# Altium PCB FMC_ADC_128CH_10B.PcbDoc (part 11 of 14) (continued)
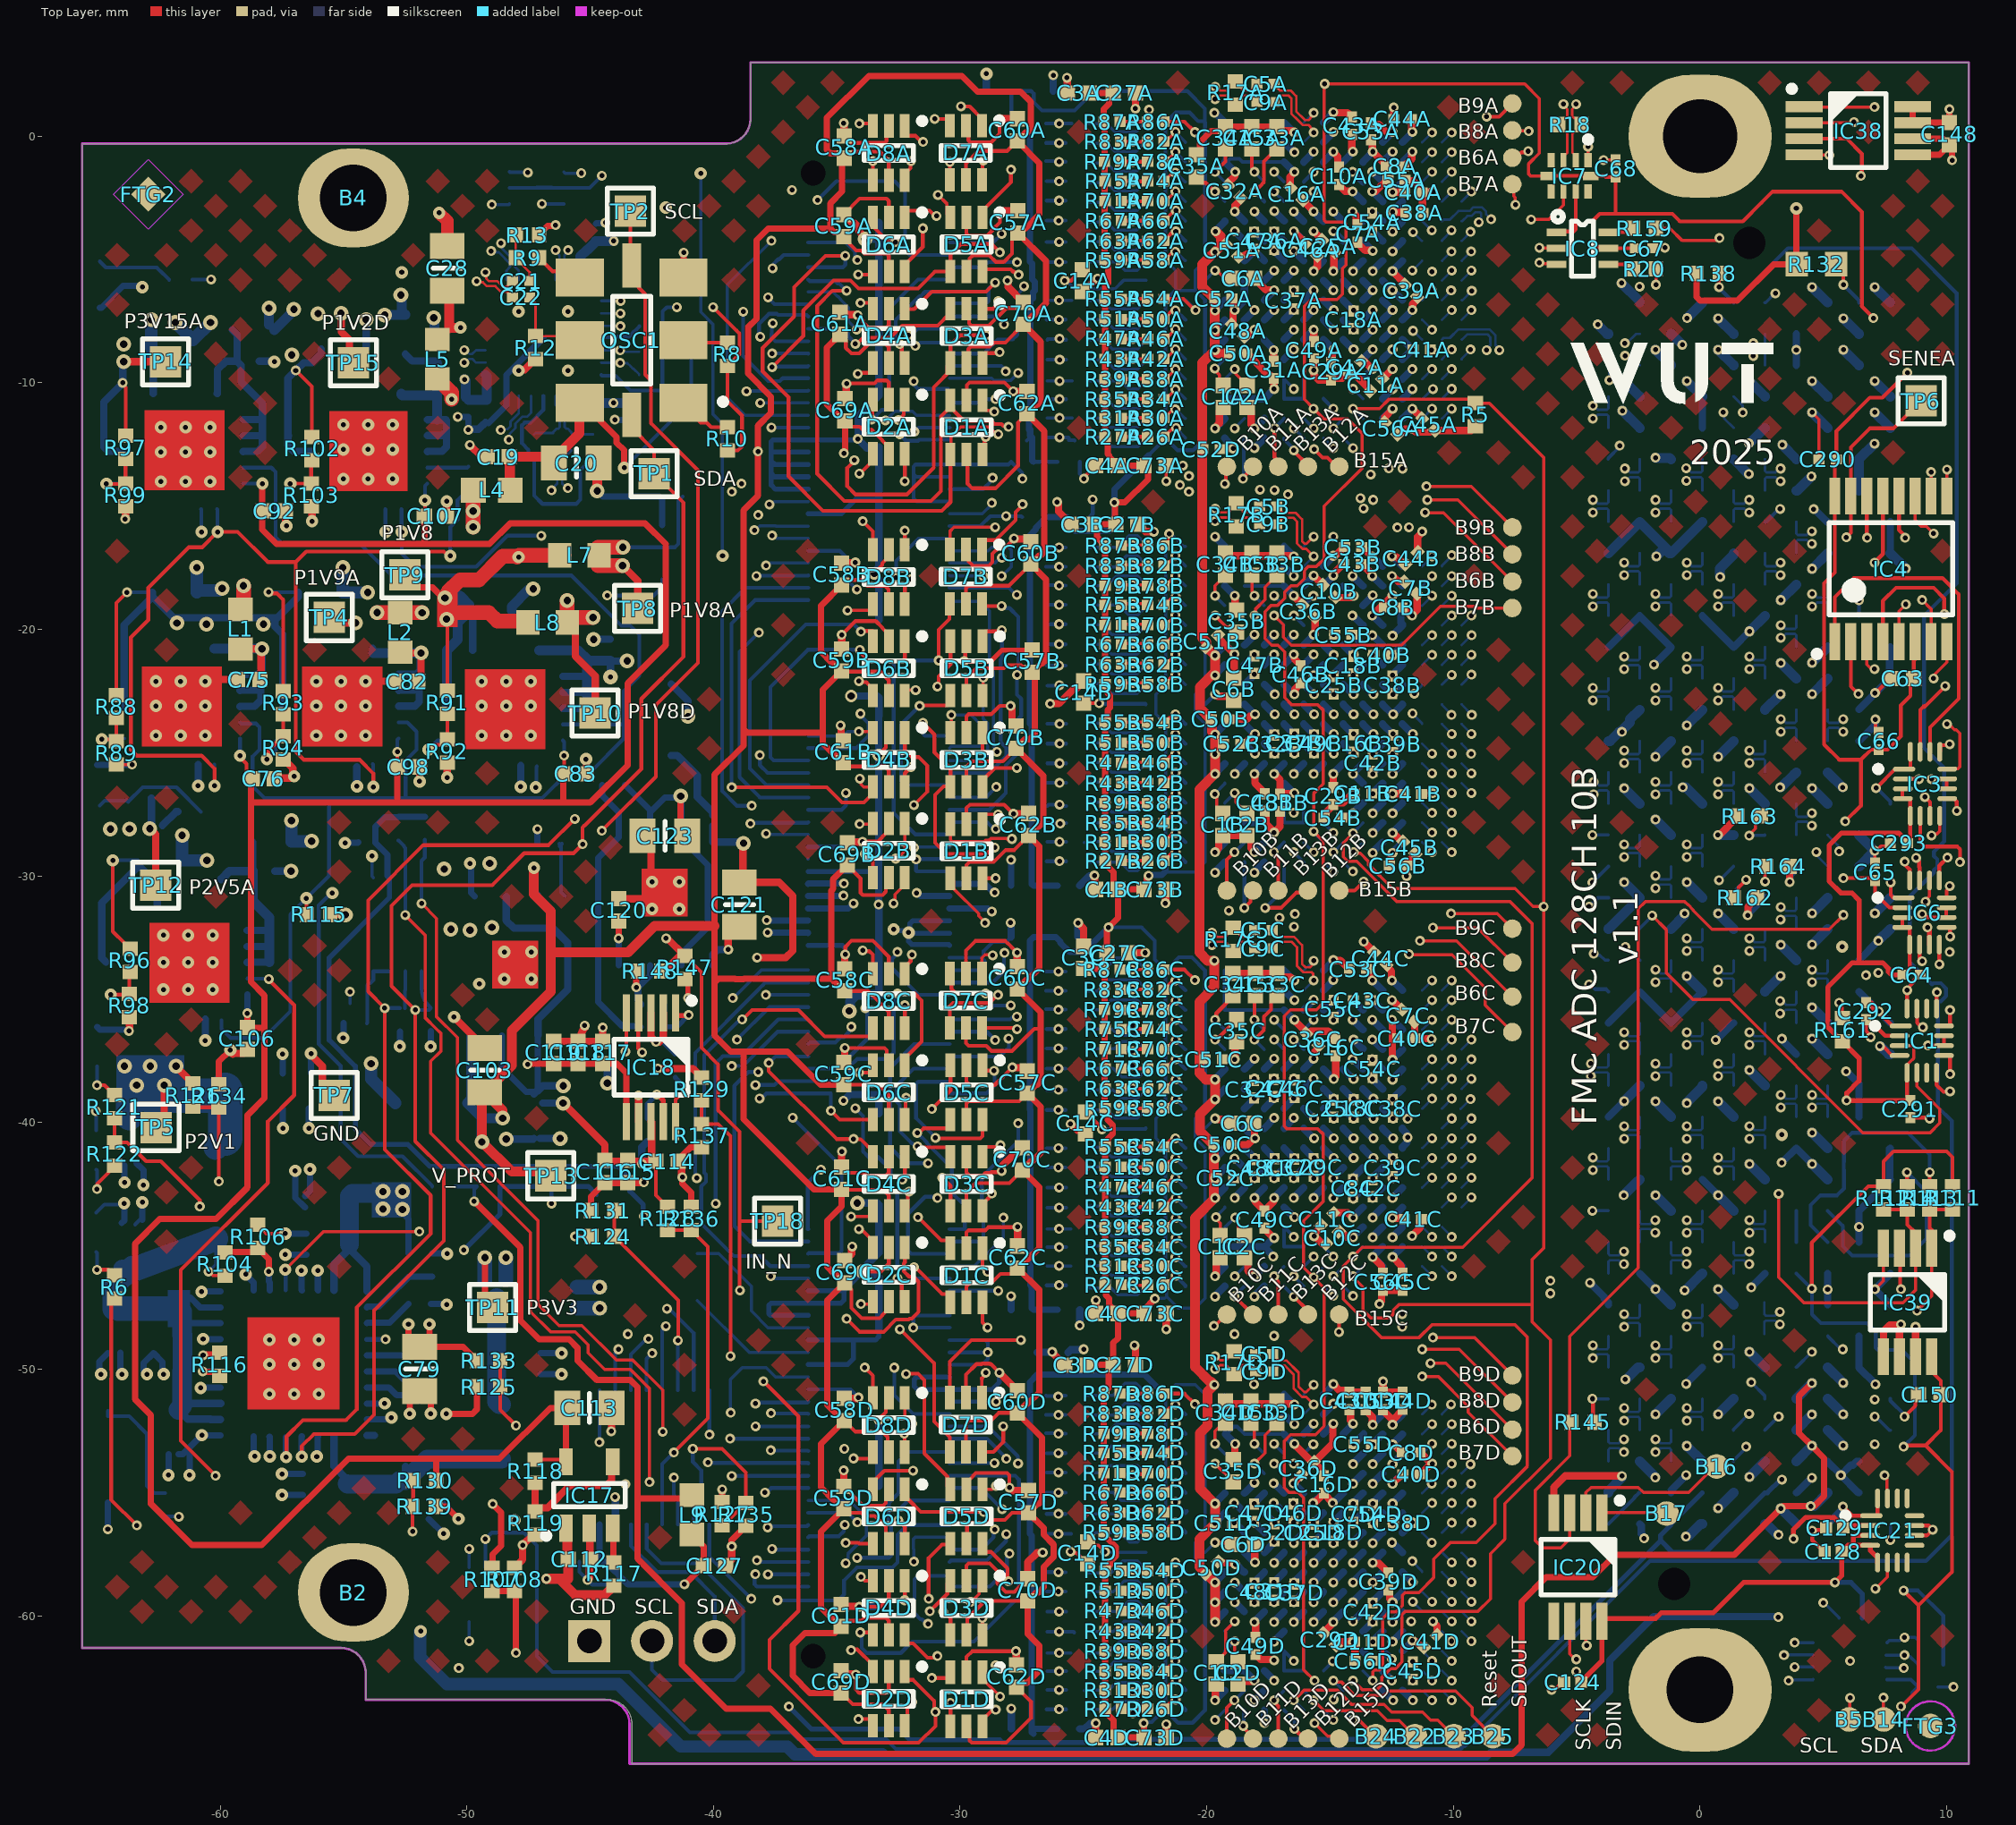
[diagram p0: Top Layer view]
## Nets (pads, with @x,y where several pads share a name; then routed paths per layer and width w, separated by ;. In a path a pad name is that pad's centre, name@x,y a point inside that pad or via, vN(x,y) a via of type N, cw(c..) or ccw(c..) an arc to the next point about the centre after c; other vN are vias at no path point) (continued)
NetJ1_142: J1.142 TP17.1 | length 5.4
  Bottom Layer w0.127: TP17.1@-40.653,-47.206 -38.544,-49.315 J1.142@-36.158,-49.315
NetLD1_1: LD1.1 R23.2 | length 3.1
  Bottom Layer w0.152: LD1.1@-64.875,-5.077 -64.633,-5.319 -62.569,-5.319 -62.293,-5.595 -62.284,-5.595 -62.065,-5.814 R23.2@-62.065,-5.823
NetLD2_1: LD2.1 R25.2 | length 5.1
  Bottom Layer w0.152: LD2.1@-64.553,-51.695 LD2.1@-64.553,-51.906 -63.688,-51.906 -62.965,-52.628 -62.965,-54.735 -62.676,-55.024 -62.228,-55.024 R25.2@-62.227,-55.025
NetLD3_2: LD3.2 R6.1 | length 1.5
  Top Layer w0.15: v1(-64.992,-45.963) -64.519,-45.963 R6.1@-64.286,-46.195
  Bottom Layer w0.15: LD3.2@-65.021,-45.246 -64.992,-45.276 v1(-64.992,-45.963)
NetLD4_2: LD4.2 R120.1 R140.1 | length 4.8
  Bottom Layer w0.15: LD4.2@-64.875,-27.14 -64.678,-26.943 -63.836,-26.943 R120.1@-63.802,-26.909
  Bottom Layer w0.152: R120.1@-63.727,-26.984 -63.142,-26.4 -61.769,-26.4 R140.1@-60.778,-27.391
NetLD5_2: LD5.2 R121.1 | length 1.6
  Top Layer w0.15: v1(-64.992,-38.479) -64.69,-38.479 R121.1@-64.286,-38.883
  Bottom Layer w0.15: v1(-64.992,-38.479) LD5.2@-64.992,-37.712
NetLD6_1: LD6.1 T3.3 | length 89.9
  Int4 (Sign) w0.15: v1(-50.323,-62.121) -48.047,-62.121 -46.159,-60.232 -46.159,-58.693 -45.022,-57.556 -45.022,-49.28 -43.656,-47.915 -43.656,-45.307 -45.608,-43.355 -45.608,-30.4 -46.312,-29.695 -46.312,-27.262 -44.302,-25.252 -44.302,-24.3 -44.888,-23.714 -44.888,-21.635 -44.302,-21.049 v1(-44.302,-18.625)
  Int6 (Sign) w0.15: v1(-65.037,-39.533) -64.405,-40.165 -64.405,-55.498 -63.954,-55.949 -63.954,-56.347 -63.354,-56.948 -62.867,-56.948 -61.507,-58.308 -59.219,-58.308 -57.541,-56.63 -53.161,-56.63 -51.114,-58.677 -51.114,-61.61 -50.603,-62.121 v1(-50.323,-62.121)
  Bottom Layer w0.15: v1(-65.037,-39.533) -65.021,-39.549 LD6.1@-65.021,-40.305 ; v1(-44.302,-18.625) -42.425,-18.625 -42.074,-18.274 T3.3@-42.074,-17.971
NetLD6_2: LD6.2 R122.1 | length 2.1
  Top Layer w0.15: v1(-64.992,-42.694) -64.992,-42.493 -64.286,-41.786 R122.1@-64.286,-41.738
  Bottom Layer w0.15: LD6.2@-65.021,-41.905 -64.992,-41.935 v1(-64.992,-42.694)
NetOSC1_1: OSC1.1 R10.1 | length 2.1
  Top Layer w0.152: OSC1.1@-41.214,-10.906 -40.515,-11.605 -40.284,-11.605 -40.093,-11.796 R10.1@-39.434,-11.796
NetOSC1_2: OSC1.2 R8.2 | length 1.8
  Top Layer w0.152: OSC1.2@-41.214,-8.366 R8.2@-39.434,-8.366
NetOSC1_4: OSC1.4 R9.1 | length 2
  Top Layer w0.152: R9.1@-47.076,-4.927 -47.076,-4.947 -46.862,-5.161 -46.842,-5.161 -46.638,-5.365 -46.528,-5.475 -45.765,-5.475 OSC1.4@-45.414,-5.826
NetR8_1: R8.1 R10.2 R15.1 R19.1 T1.3 | length 22.5
  Top Layer w0.152: v1(-40.011,-6.93) -39.051,-7.89 -39.047,-7.89 -38.937,-7.999 -38.937,-8.83 -39.414,-9.306 R8.1@-39.434,-9.306 -39.434,-10.739 -38.843,-11.329 -38.843,-12.569 -39.01,-12.736 R10.2@-39.434,-12.736
  Int1 (Sign) w0.127: v1(-41.484,-6.93) v1(-40.011,-6.93)
  Int3 (Sign) w0.152: v1(-47.523,-1.471) -46.459,-2.536 -44.405,-2.536 -41.484,-5.457 v1(-41.484,-6.93) v1(-40.011,-6.93)
  Bottom Layer w0.152: T1.3@-48.264,-1.444 -48.251,-1.457 -47.537,-1.457 v1(-47.523,-1.471) ; v1(-41.484,-6.93) -41.889,-6.93 -42.059,-7.1 R19.1@-42.059,-7.694 -42.044,-7.708 R15.1@-40.9,-7.708
NetR23_1: R23.1 T1.6 | length 16.5
  Int1 (Sign) w0.127: v1(-60.369,-5.81) -56.15,-5.81 -55.993,-5.967 -52.186,-5.967 -49.409,-3.191 -48.773,-3.191 -48.325,-2.744 v1(-46.95,-2.744)
  Bottom Layer w0.152: R23.1@-61.13,-5.81 v1(-60.369,-5.81) ; v1(-46.95,-2.744) T1.6@-46.064,-2.744
NetR24A_2: R24A.2 U1A.A17 | length 2.6
  Bottom Layer w0.127: R24A.2@-24.791,-12.21 -24.215,-12.21 -23.831,-12.594 -22.814,-12.594 U1A.A17@-22.467,-12.245 U1A.A17@-22.467,-12.245
NetR24B_2: R24B.2 U1B.A17 | length 2.6
  Bottom Layer w0.127: R24B.2@-24.791,-29.399 -24.756,-29.434 -23.49,-29.434 -23.144,-29.779 -22.81,-29.779 -22.467,-29.437 U1B.A17@-22.467,-29.434
NetR24C_2: R24C.2 U1C.A17 | length 2.7
  Bottom Layer w0.127: R24C.2@-24.841,-46.594 -24.738,-46.697 -23.888,-46.697 -23.61,-46.975 -22.81,-46.975 -22.467,-46.632 U1C.A17@-22.467,-46.63
NetR24D_2: R24D.2 U1D.A17 | length 2.7
  Bottom Layer w0.127: R24D.2@-24.821,-63.79 R24D.2@-24.841,-63.79 -23.815,-63.79 -23.49,-63.465 -22.8,-63.465 -22.467,-63.798 U1D.A17@-22.467,-63.825
NetR25_1: R25.1 T2.3 | length 16
  Int3 (Sign) w0.152: v1(-61.674,-55.975) -53.52,-55.975 -49.897,-59.598 v1(-49.897,-61.022)
  Bottom Layer w0.127: v1(-49.897,-61.022) T2.3@-49.897,-60.242
  Bottom Layer w0.152: R25.1@-62.227,-55.965 -61.685,-55.965 v1(-61.674,-55.975)
NetR26A_1: R26A.1 U1A.C17 | length 1.2
  Top Layer w0.127: R26A.1@-21.739,-12.185 -21.719,-12.185 -21.417,-11.883 -21.291,-11.883 v1(-21.239,-11.83)
  Bottom Layer w0.127: v1(-21.239,-11.83) -21.239,-11.852 -20.867,-12.223 U1A.C17@-20.867,-12.245
NetR26B_1: R26B.1 U1B.C17 | length 1.2
  Top Layer w0.152: R26B.1@-21.739,-29.373 -21.719,-29.373 -21.422,-29.076 -21.303,-29.076 v1(-21.256,-29.028)
  Bottom Layer w0.152: v1(-21.256,-29.028) -21.256,-29.037 -20.867,-29.425 U1B.C17@-20.867,-29.434
NetR26C_1: R26C.1 U1C.C17 | length 1.2
  Top Layer w0.152: R26C.1@-21.739,-46.569 -21.605,-46.435 -21.518,-46.435 -21.28,-46.197 v1(-21.256,-46.197)
  Bottom Layer w0.152: v1(-21.256,-46.197) -21.256,-46.219 -20.867,-46.608 U1C.C17@-20.867,-46.63
NetR26D_1: R26D.1 U1D.C17 | length 1.2
  Top Layer w0.152: R26D.1@-21.739,-63.765 -21.719,-63.765 -21.394,-63.44 -21.304,-63.44 v1(-21.256,-63.393)
  Bottom Layer w0.152: v1(-21.256,-63.393) -21.256,-63.414 -20.867,-63.804 U1D.C17@-20.867,-63.825
NetR29A_2: R29A.2 U1A.A16 | length 2.6
  Bottom Layer w0.127: R29A.2@-24.791,-11.423 -24.292,-11.423 -23.916,-11.799 -22.821,-11.799 U1A.A16@-22.467,-11.445
NetR29B_2: R29B.2 U1B.A16 | length 2.7
  Bottom Layer w0.127: R29B.2@-24.965,-28.637 R29B.2@-24.962,-28.634 ; R29B.2@-24.816,-28.597 -24.256,-28.597 -23.857,-28.996 -22.83,-28.996 U1B.A16@-22.467,-28.634
NetR29C_2: R29C.2 U1C.A16 | length 2.7
  Bottom Layer w0.127: R29C.2@-24.816,-45.793 -24.256,-45.793 -23.857,-46.192 -22.83,-46.192 U1C.A16@-22.467,-45.83
NetR29D_2: R29D.2 U1D.A16 | length 2.6
  Bottom Layer w0.127: R29D.2@-24.965,-63.028 R29D.2@-24.962,-63.025 ; R29D.2@-24.841,-63.003 -23.972,-63.003 -23.672,-62.703 -22.79,-62.703 U1D.A16@-22.467,-63.025
NetR30A_1: R30A.1 U1A.C16 | length 1.2
  Top Layer w0.127: R30A.1@-21.739,-11.423 -21.719,-11.423 -21.426,-11.13 -21.331,-11.13 v1(-21.279,-11.078)
  Bottom Layer w0.127: v1(-21.279,-11.078) -21.257,-11.078 -20.889,-11.445 U1A.C16@-20.867,-11.445
NetR30B_1: R30B.1 U1B.C16 | length 1.2
  Top Layer w0.152: R30B.1@-21.739,-28.611 -21.719,-28.611 -21.396,-28.288 -21.306,-28.288 v1(-21.258,-28.241)
  Bottom Layer w0.152: v1(-21.258,-28.241) U1B.C16@-20.867,-28.633
NetR30C_1: R30C.1 U1C.C16 | length 1.2
  Top Layer w0.152: R30C.1@-21.739,-45.807 -21.605,-45.673 -21.491,-45.673 v1(-21.271,-45.454)
  Bottom Layer w0.152: v1(-21.271,-45.454) -21.257,-45.454 -20.881,-45.83 U1C.C16@-20.867,-45.83
NetR30D_1: R30D.1 U1D.C16 | length 1.2
  Top Layer w0.152: R30D.1@-21.739,-63.003 -21.719,-63.003 -21.371,-62.655 -21.289,-62.655 v1(-21.242,-62.607)
  Bottom Layer w0.152: v1(-21.242,-62.607) -21.242,-62.629 -20.867,-63.004 U1D.C16@-20.867,-63.025
NetR33A_2: R33A.2 U1A.A15 | length 2.7
  Bottom Layer w0.127: R33A.2@-24.791,-10.661 -24.064,-10.661 -23.696,-11.028 -23.141,-11.028 -23.132,-11.037 -22.823,-11.037 -22.814,-11.028 -22.772,-11.028
  Bottom Layer w0.152: -22.772,-11.028 -22.467,-10.724 U1A.A15@-22.467,-10.645
NetR33B_2: R33B.2 U1B.A15 | length 2.7
  Bottom Layer w0.127: R33B.2@-24.791,-27.849 -23.508,-27.849 -23.132,-28.226 -22.822,-28.226 -22.467,-27.871 U1B.A15@-22.467,-27.834
NetR33C_2: R33C.2 U1C.A15 | length 2.7
  Bottom Layer w0.127: R33C.2@-24.816,-44.993 -24.256,-44.993 -23.857,-45.392 -22.83,-45.392 U1C.A15@-22.467,-45.03
NetR33D_2: R33D.2 U1D.A15 | length 2.7
  Bottom Layer w0.127: R33D.2@-24.841,-62.241 -24.132,-62.241 -23.732,-61.841 -22.8,-61.841 -22.467,-62.174 U1D.A15@-22.467,-62.225
NetR34A_1: R34A.1 U1A.C15 | length 1.2
  Top Layer w0.127: R34A.1@-21.739,-10.661 -21.671,-10.661 v1(-21.268,-10.258)
  Bottom Layer w0.127: v1(-21.268,-10.258) -21.261,-10.258 -20.874,-10.645 U1A.C15@-20.867,-10.645
NetR34B_1: R34B.1 U1B.C15 | length 1.2
  Top Layer w0.127: R34B.1@-21.739,-27.849 -21.719,-27.849 -21.315,-27.445 v1(-21.256,-27.445)
  Bottom Layer w0.152: v1(-21.256,-27.445) U1B.C15@-20.867,-27.834
NetR34C_1: R34C.1 U1C.C15 | length 1.2
  Top Layer w0.152: R34C.1@-21.739,-45.045 -21.605,-44.911 -21.518,-44.911 -21.28,-44.673 v1(-21.256,-44.673)
  Bottom Layer w0.127: v1(-21.256,-44.673) -21.24,-44.673 -20.883,-45.03 U1C.C15@-20.867,-45.03
NetR34D_1: R34D.1 U1D.C15 | length 1.2
  Top Layer w0.127: R34D.1@-21.739,-62.241 -21.719,-62.241 -21.311,-61.832 v1(-21.266,-61.832)
  Bottom Layer w0.152: v1@-21.256,-61.837 U1D.C15@-20.867,-62.225
NetR37A_2: R37A.2 U1A.A14 | length 2.7
  Bottom Layer w0.127: R37A.2@-24.791,-9.924 -23.474,-9.924 -23.144,-10.254 -22.81,-10.254 -22.467,-9.911 U1A.A14@-22.467,-9.845
NetR37B_2: R37B.2 U1B.A14 | length 2.7
  Bottom Layer w0.127: R37B.2@-24.816,-26.997 -24.256,-26.997 -23.857,-27.396 -22.83,-27.396 U1B.A14@-22.467,-27.034
NetR37C_2: R37C.2 U1C.A14 | length 2.7
  Bottom Layer w0.127: R37C.2@-24.816,-44.193 -24.256,-44.193 -23.857,-44.592 -22.83,-44.592 U1C.A14@-22.467,-44.23
NetR37D_2: R37D.2 U1D.A14 | length 2.8
  Bottom Layer w0.127: R37D.2@-24.841,-61.504 -24.004,-61.504 -23.527,-61.028 -22.8,-61.028 -22.467,-61.361 U1D.A14@-22.467,-61.425
NetR38A_1: R38A.1 U1A.C14 | length 1.2
  Top Layer w0.127: R38A.1@-21.739,-9.848 -21.671,-9.848 v1(-21.268,-9.445)
  Bottom Layer w0.127: v1(-21.268,-9.445) U1A.C14@-20.867,-9.845
NetR38B_1: R38B.1 U1B.C14 | length 1.2
  Top Layer w0.127: R38B.1@-21.739,-27.036 -21.719,-27.036 -21.328,-26.645 v1(-21.256,-26.645)
  Bottom Layer w0.152: v1(-21.256,-26.645) U1B.C14@-20.867,-27.034
NetR38C_1: R38C.1 U1C.C14 | length 1.2
  Top Layer w0.152: R38C.1@-21.739,-44.232 -21.605,-44.098 -21.518,-44.098 -21.28,-43.86 v1(-21.256,-43.86)
  Bottom Layer w0.127: v1(-21.256,-43.86) -21.247,-43.86 -20.877,-44.23 U1C.C14@-20.867,-44.23
NetR38D_1: R38D.1 U1D.C14 | length 1.2
  Top Layer w0.127: R38D.1@-21.739,-61.428 -21.719,-61.428 -21.323,-61.032 v1(-21.266,-61.032)
  Bottom Layer w0.152: v1@-21.256,-61.037 U1D.C14@-20.867,-61.425
NetR41A_2: R41A.2 U1A.A13 | length 2.7
  Bottom Layer w0.127: R41A.2@-24.791,-9.06 -24.116,-9.06 -23.735,-9.441 -22.81,-9.441 -22.467,-9.098 U1A.A13@-22.467,-9.045
NetR41B_2: R41B.2 U1B.A13 | length 2.7
  Bottom Layer w0.127: R41B.2@-24.816,-26.197 -24.256,-26.197 -23.857,-26.596 -22.83,-26.596 U1B.A13@-22.467,-26.234
NetR41C_2: R41C.2 U1C.A13 | length 2.7
  Bottom Layer w0.127: R41C.2@-24.816,-43.393 -24.256,-43.393 -23.857,-43.792 -22.83,-43.792 U1C.A13@-22.467,-43.43
NetR41D_2: R41D.2 U1D.A13 | length 2.8
  Bottom Layer w0.127: R41D.2@-24.841,-60.641 -23.78,-60.641 -23.355,-60.215 -22.8,-60.215 -22.467,-60.548 U1D.A13@-22.467,-60.625
NetR42A_1: R42A.1 U1A.C13 | length 1.2
  Top Layer w0.127: R42A.1@-21.739,-9.035 -21.671,-9.035 v1(-21.268,-8.632)
  Bottom Layer w0.127: v1(-21.268,-8.632) -21.268,-8.638 -20.867,-9.039 U1A.C13@-20.867,-9.045
NetR42B_1: R42B.1 U1B.C13 | length 1.3
  Top Layer w0.152: R42B.1@-21.739,-26.224 -21.719,-26.224 -21.296,-25.801 v1(-21.257,-25.801)
  Bottom Layer w0.152: v1(-21.257,-25.801) -21.257,-25.822 -20.867,-26.212 U1B.C13@-20.867,-26.234
NetR42C_1: R42C.1 U1C.C13 | length 1.2
  Top Layer w0.152: R42C.1@-21.739,-43.419 -21.719,-43.419 -21.585,-43.286 -21.585,-43.266 -21.414,-43.095 -21.371,-43.095 -21.324,-43.048 v1@-21.324,-43.004
  Bottom Layer w0.152: v1(-21.256,-43.047) -21.253,-43.047 -20.871,-43.43 U1C.C13@-20.867,-43.43
NetR42D_1: R42D.1 U1D.C13 | length 1.2
  Top Layer w0.152: R42D.1@-21.739,-60.615 -21.719,-60.615 -21.299,-60.195 v1(-21.258,-60.195)
  Bottom Layer w0.152: v1(-21.258,-60.195) -21.258,-60.214 -20.867,-60.606 U1D.C13@-20.867,-60.625
NetR45A_2: R45A.2 U1A.A12 | length 2.7
  Bottom Layer w0.127: R45A.2@-24.791,-8.248 -24.206,-8.248 -23.825,-8.628 -22.81,-8.628 -22.467,-8.286 U1A.A12@-22.467,-8.245
NetR45B_2: R45B.2 U1B.A12 | length 2.7
  Bottom Layer w0.127: R45B.2@-24.816,-25.397 -24.256,-25.397 -23.857,-25.796 -22.83,-25.796 U1B.A12@-22.467,-25.434
NetR45C_2: R45C.2 U1C.A12 | length 2.7
  Bottom Layer w0.127: R45C.2@-24.816,-42.593 -24.256,-42.593 -23.857,-42.992 -22.83,-42.992 U1C.A12@-22.467,-42.63
NetR45D_2: R45D.2 U1D.A12 | length 2.8
  Bottom Layer w0.127: R45D.2@-24.841,-59.828 -23.602,-59.828 -23.17,-59.396 -22.806,-59.396 -22.564,-59.639 -22.564,-59.648 -22.467,-59.745 U1D.A12@-22.467,-59.825
NetR46A_1: R46A.1 U1A.C12 | length 1.2
  Top Layer w0.127: R46A.1@-21.739,-8.222 -21.671,-8.222 v1(-21.268,-7.82)
  Bottom Layer w0.127: v1(-21.268,-7.82) -21.268,-7.832 -20.867,-8.233 U1A.C12@-20.867,-8.245
NetR46B_1: R46B.1 U1B.C12 | length 1.2
  Top Layer w0.152: R46B.1@-21.739,-25.411 -21.719,-25.411 -21.585,-25.277 -21.585,-25.257 -21.416,-25.088 -21.313,-25.088 v1(-21.266,-25.04)
  Bottom Layer w0.152: v1(-21.266,-25.04) -21.261,-25.04 U1B.C12@-20.867,-25.434
NetR46C_1: R46C.1 U1C.C12 | length 1.2
  Top Layer w0.152: R46C.1@-21.739,-42.607 -21.719,-42.607 -21.585,-42.473 -21.585,-42.453 -21.416,-42.284 -21.313,-42.284 v1(-21.266,-42.236)
  Bottom Layer w0.152: v1(-21.266,-42.236) -21.261,-42.236 U1C.C12@-20.867,-42.63
NetR46D_1: R46D.1 U1D.C12 | length 1.2
  Top Layer w0.152: R46D.1@-21.739,-59.802 -21.719,-59.802 -21.585,-59.669 -21.585,-59.649 -21.416,-59.479 -21.313,-59.479 v1(-21.266,-59.432)
  Bottom Layer w0.152: v1(-21.266,-59.432) -21.261,-59.432 U1D.C12@-20.867,-59.825
NetR49A_2: R49A.2 U1A.A11 | length 2.7
  Bottom Layer w0.127: R49A.2@-24.817,-7.435 -24.144,-7.435 -23.763,-7.816 -22.81,-7.816 -22.467,-7.473 U1A.A11@-22.467,-7.445
NetR49B_2: R49B.2 U1B.A11 | length 2.7
  Bottom Layer w0.127: R49B.2@-24.816,-24.597 -24.256,-24.597 -23.857,-24.996 -22.83,-24.996 U1B.A11@-22.467,-24.634
NetR49C_2: R49C.2 U1C.A11 | length 2.7
  Bottom Layer w0.127: R49C.2@-24.816,-41.793 -24.256,-41.793 -23.857,-42.192 -22.83,-42.192 U1C.A11@-22.467,-41.83
NetR49D_2: R49D.2 U1D.A11 | length 2.8
  Bottom Layer w0.127: R49D.2@-24.867,-59.015 -23.781,-59.015 -23.355,-58.589 -22.8,-58.589 -22.564,-58.826 -22.564,-58.848 -22.467,-58.945 U1D.A11@-22.467,-59.025
NetR50A_1: R50A.1 U1A.C11 | length 1.2
  Top Layer w0.152: R50A.1@-21.739,-7.409 -21.719,-7.409 -21.585,-7.276 -21.585,-7.256 -21.434,-7.105 -21.313,-7.105 v1(-21.266,-7.057)
  Bottom Layer w0.152: v1(-21.266,-7.057) -21.255,-7.057 U1A.C11@-20.867,-7.445
NetR50B_1: R50B.1 U1B.C11 | length 1.2
  Top Layer w0.152: R50B.1@-21.739,-24.598 -21.605,-24.464 -21.496,-24.464 v1(-21.266,-24.234)
  Bottom Layer w0.152: v1@-21.266,-24.235 U1B.C11@-20.867,-24.634
NetR50C_1: R50C.1 U1C.C11 | length 1.2
  Top Layer w0.152: R50C.1@-21.739,-41.794 -21.719,-41.794 -21.515,-41.589 -21.479,-41.589 -21.319,-41.43 v1(-21.266,-41.43)
  Bottom Layer w0.152: v1@-21.266,-41.431 U1C.C11@-20.867,-41.83
NetR50D_1: R50D.1 U1D.C11 | length 1.2
  Top Layer w0.152: R50D.1@-21.739,-58.99 -21.719,-58.99 -21.585,-58.856 -21.585,-58.836 -21.422,-58.673 -21.313,-58.673 v1(-21.266,-58.625)
  Bottom Layer w0.152: v1@-21.266,-58.627 U1D.C11@-20.867,-59.025
NetR53A_2: R53A.2 U1A.A10 | length 2.7
  Bottom Layer w0.127: R53A.2@-24.817,-6.647 -24.254,-6.647 -23.899,-7.003 -22.81,-7.003 -22.467,-6.66 U1A.A10@-22.467,-6.645
NetR53B_2: R53B.2 U1B.A10 | length 2.7
  Bottom Layer w0.127: R53B.2@-24.816,-23.797 -24.256,-23.797 -23.857,-24.196 -22.83,-24.196 U1B.A10@-22.467,-23.834
NetR53C_2: R53C.2 U1C.A10 | length 2.7
  Bottom Layer w0.127: R53C.2@-24.816,-40.993 -24.256,-40.993 -23.857,-41.392 -22.83,-41.392 U1C.A10@-22.467,-41.03
NetR53D_2: R53D.2 U1D.A10 | length 2.9
  Bottom Layer w0.127: R53D.2@-24.819,-58.228 -24.819,-58.255 -23.887,-58.255 -23.401,-57.769 -22.808,-57.769 -22.564,-58.013 -22.564,-58.048 -22.467,-58.145 U1D.A10@-22.467,-58.225 ; U1D.A10@-22.469,-58.252 U1D.A10@-22.469,-58.228
NetR54A_1: R54A.1 U1A.C10 | length 2
  Top Layer w0.152: R54A.1@-21.719,-6.597 -20.942,-6.597 -20.489,-7.05 v1(-20.456,-7.05)
  Bottom Layer w0.152: U1A.C10@-20.867,-6.645 -20.864,-6.645 -20.459,-7.05 v1(-20.456,-7.05)
NetR54B_1: R54B.1 U1B.C10 | length 1.2
  Top Layer w0.152: R54B.1@-21.739,-23.785 -21.719,-23.785 -21.528,-23.593 -21.479,-23.593 -21.326,-23.44 v1(-21.266,-23.44)
  Bottom Layer w0.152: v1(-21.266,-23.44) -21.261,-23.44 U1B.C10@-20.867,-23.834
NetR54C_1: R54C.1 U1C.C10 | length 1.2
  Top Layer w0.152: R54C.1@-21.739,-40.981 -21.719,-40.981 -21.585,-40.847 -21.585,-40.827 -21.442,-40.683 -21.313,-40.683 v1(-21.266,-40.636)
  Bottom Layer w0.152: v1(-21.266,-40.636) -21.261,-40.636 U1C.C10@-20.867,-41.03
NetR54D_1: R54D.1 U1D.C10 | length 1.2
  Top Layer w0.152: R54D.1@-21.739,-58.177 -21.605,-58.043 -21.479,-58.043 -21.268,-57.832 v1(-21.266,-57.832)
  Bottom Layer w0.152: v1(-21.266,-57.832) -21.261,-57.832 U1D.C10@-20.867,-58.225
NetR57A_2: R57A.2 U1A.A8 | length 2.7
  Bottom Layer w0.127: R57A.2@-24.817,-5.098 -24.56,-5.098 -23.657,-5.098 -23.31,-5.445 -22.828,-5.445 -22.467,-5.085 U1A.A8@-22.467,-5.045
NetR57B_2: R57B.2 U1B.A8 | length 2.7
  Bottom Layer w0.127: R57B.2@-24.816,-22.197 -24.256,-22.197 -23.857,-22.596 -22.83,-22.596 U1B.A8@-22.467,-22.234
NetR57C_2: R57C.2 U1C.A8 | length 2.7
  Bottom Layer w0.127: R57C.2@-24.867,-39.482 -24.033,-39.482 -23.703,-39.812 -22.81,-39.812 -22.467,-39.469 U1C.A8@-22.467,-39.43
NetR57D_2: R57D.2 U1D.A8 | length 2.7
  Bottom Layer w0.127: R57D.2@-24.867,-56.625 -23.517,-56.625 -23.134,-57.008 -22.8,-57.008 -22.467,-56.675 U1D.A8@-22.467,-56.625
NetR58A_1: R58A.1 U1A.C8 | length 1.2
  Top Layer w0.127: R58A.1@-21.739,-5.022 -21.719,-5.022 -21.431,-4.734 -21.327,-4.734 v1(-21.275,-4.681)
  Bottom Layer w0.127: v1(-21.275,-4.681) -21.253,-4.681 -20.889,-5.045 U1A.C8@-20.867,-5.045
NetR58B_1: R58B.1 U1B.C8 | length 1.2
  Top Layer w0.127: R58B.1@-21.739,-22.21 -21.719,-22.21 -21.337,-21.828 v1(-21.268,-21.828)
  Bottom Layer w0.127: v1(-21.268,-21.828) -21.268,-21.83 -20.867,-22.231 U1B.C8@-20.867,-22.234
NetR58C_1: R58C.1 U1C.C8 | length 1.2
  Top Layer w0.152: R58C.1@-21.739,-39.406 -21.605,-39.272 -21.518,-39.272 -21.28,-39.034 v1(-21.256,-39.034)
  Bottom Layer w0.152: v1(-21.256,-39.034) -21.256,-39.037 -20.867,-39.426 U1C.C8@-20.867,-39.43 U1C.C8@-20.9,-39.462
NetR58D_1: R58D.1 U1D.C8 | length 1.3
  Top Layer w0.152: R58D.1@-21.739,-56.602 -21.719,-56.602 -21.585,-56.468 -21.585,-56.448 -21.419,-56.282 -21.404,-56.282 -21.319,-56.197 v1(-21.252,-56.197)
  Bottom Layer w0.152: v1(-21.252,-56.197) -21.252,-56.219 -20.867,-56.604 U1D.C8@-20.867,-56.625
NetR61A_2: R61A.2 U1A.A7 | length 2.6
  Bottom Layer w0.127: R61A.2@-24.817,-4.285 -24.064,-4.285 -23.734,-4.615 -22.861,-4.615 -22.491,-4.245 U1A.A7@-22.467,-4.245
NetR61B_2: R61B.2 U1B.A7 | length 2.7
  Bottom Layer w0.127: R61B.2@-24.816,-21.397 -24.256,-21.397 -23.857,-21.796 -22.83,-21.796 U1B.A7@-22.467,-21.434
NetR61C_2: R61C.2 U1C.A7 | length 2.7
  Bottom Layer w0.127: R61C.2@-24.867,-38.67 -23.806,-38.67 -23.47,-39.006 -22.81,-39.006 -22.801,-39.015 -22.467,-38.682 U1C.A7@-22.467,-38.63
NetR61D_2: R61D.2 U1D.A7 | length 2.6
  Bottom Layer w0.127: R61D.2@-24.867,-55.865 -23.39,-55.865 -23.134,-56.121 -22.8,-56.121 -22.505,-55.825 U1D.A7@-22.467,-55.825
NetR62A_1: R62A.1 U1A.C7 | length 1.2
  Top Layer w0.152: R62A.1@-21.739,-4.234 -21.719,-4.234 -21.585,-4.101 -21.585,-4.081 -21.409,-3.904 -21.303,-3.904 v1(-21.256,-3.857)
  Bottom Layer w0.152: v1(-21.256,-3.857) U1A.C7@-20.867,-4.245
NetR62B_1: R62B.1 U1B.C7 | length 1.2
  Top Layer w0.127: R62B.1@-21.739,-21.423 -21.671,-21.423 v1(-21.268,-21.02)
  Bottom Layer w0.127: v1(-21.268,-21.02) -21.268,-21.027 -20.867,-21.428 U1B.C7@-20.867,-21.434
NetR62C_1: R62C.1 U1C.C7 | length 1.2
  Top Layer w0.152: R62C.1@-21.739,-38.619 -21.605,-38.485 -21.518,-38.485 -21.28,-38.247 v1(-21.256,-38.247)
  Bottom Layer w0.152: v1(-21.256,-38.247) -21.253,-38.247 -20.87,-38.63 U1C.C7@-20.867,-38.63
NetR62D_1: R62D.1 U1D.C7 | length 1.3
  Top Layer w0.152: R62D.1@-21.739,-55.815 -21.719,-55.815 -21.297,-55.392 v1(-21.257,-55.392)
  Bottom Layer w0.152: v1(-21.257,-55.392) -21.257,-55.414 -20.867,-55.804 U1D.C7@-20.867,-55.825 U1D.C7@-20.8,-55.758
NetR65A_2: R65A.2 U1A.A6 | length 2.6
  Bottom Layer w0.127: R65A.2@-24.817,-3.485 -24.064,-3.485 -23.734,-3.815 -22.861,-3.815 -22.491,-3.445 U1A.A6@-22.467,-3.445
NetR65B_2: R65B.2 U1B.A6 | length 2.7
  Bottom Layer w0.127: R65B.2@-24.816,-20.597 -24.256,-20.597 -23.857,-20.996 -22.83,-20.996 U1B.A6@-22.467,-20.634
NetR65C_2: R65C.2 U1C.A6 | length 2.7
  Bottom Layer w0.127: R65C.2@-24.867,-37.806 -23.781,-37.806 -23.44,-38.147 -22.745,-38.147 -22.467,-37.869 U1C.A6@-22.467,-37.83
NetR65D_2: R65D.2 U1D.A6 | length 2.6
  Bottom Layer w0.127: R65D.2@-24.867,-55.002 -23.781,-55.002 -23.467,-55.315 -23.135,-55.315 -22.756,-55.314 U1D.A6@-22.467,-55.025
NetR66A_1: R66A.1 U1A.C6 | length 1.2
  Top Layer w0.127: R66A.1@-21.739,-3.422 -21.719,-3.422 -21.315,-3.017 v1(-21.252,-3.017)
  Bottom Layer w0.127: v1(-21.252,-3.017) -21.252,-3.039 -20.867,-3.423 U1A.C6@-20.867,-3.445
NetR66B_1: R66B.1 U1B.C6 | length 1.2
  Top Layer w0.127: R66B.1@-21.739,-20.61 -21.719,-20.61 -21.407,-20.298 -21.32,-20.298 v1(-21.268,-20.246)
  Bottom Layer w0.127: v1(-21.268,-20.246) -21.262,-20.246 -20.874,-20.634 U1B.C6@-20.867,-20.634
NetR66C_1: R66C.1 U1C.C6 | length 1.2
  Top Layer w0.152: R66C.1@-21.739,-37.806 -21.605,-37.672 -21.518,-37.672 -21.28,-37.434 v1(-21.256,-37.434)
  Bottom Layer w0.152: v1(-21.256,-37.434) -21.256,-37.437 -20.867,-37.826 U1C.C6@-20.867,-37.83
NetR66D_1: R66D.1 U1D.C6 | length 1.2
  Top Layer w0.152: R66D.1@-21.739,-55.002 -21.719,-55.002 -21.565,-54.848 -21.549,-54.848 -21.309,-54.607 v1(-21.242,-54.607)
  Bottom Layer w0.152: v1(-21.242,-54.607) -21.242,-54.629 -20.867,-55.004 U1D.C6@-20.867,-55.025
NetR69A_2: R69A.2 U1A.A5 | length 2.6
  Bottom Layer w0.127: R69A.2@-24.817,-2.685 -24.064,-2.685 -23.734,-3.015 -22.837,-3.015 -22.833,-3.011 -22.823,-3.011 -22.467,-2.655 U1A.A5@-22.467,-2.645
NetR69B_2: R69B.2 U1B.A5 | length 2.7
  Bottom Layer w0.127: R69B.2@-24.816,-19.797 -24.256,-19.797 -23.857,-20.196 -22.83,-20.196 U1B.A5@-22.467,-19.834
NetR69C_2: R69C.2 U1C.A5 | length 2.6
  Bottom Layer w0.127: R69C.2@-24.866,-36.993 -23.726,-36.993 -23.451,-36.718 -22.797,-36.718 -22.486,-37.03 U1C.A5@-22.467,-37.03
NetR69D_2: R69D.2 U1D.A5 | length 2.6
  Bottom Layer w0.127: R69D.2@-24.866,-54.189 -24.255,-54.189 -23.98,-53.914 -22.8,-53.914 -22.489,-54.225 U1D.A5@-22.467,-54.225
NetR70A_1: R70A.1 U1A.C5 | length 1.2
  Top Layer w0.127: R70A.1@-21.739,-2.634 -21.671,-2.634 v1(-21.268,-2.232)
  Bottom Layer w0.127: v1(-21.268,-2.232) -21.268,-2.238 -20.867,-2.639 U1A.C5@-20.867,-2.645
NetR70B_1: R70B.1 U1B.C5 | length 1.2
  Top Layer w0.127: R70B.1@-21.739,-19.823 -21.671,-19.823 v1(-21.268,-19.42)
  Bottom Layer w0.127: v1(-21.268,-19.42) -21.268,-19.427 -20.867,-19.827 U1B.C5@-20.867,-19.834
NetR70C_1: R70C.1 U1C.C5 | length 1.2
  Top Layer w0.152: R70C.1@-21.739,-37.019 -21.605,-36.885 -21.518,-36.885 -21.28,-36.646 v1(-21.256,-36.646)
  Bottom Layer w0.152: v1(-21.256,-36.646) -21.253,-36.646 -20.87,-37.03 U1C.C5@-20.867,-37.03
NetR70D_1: R70D.1 U1D.C5 | length 1.2
  Top Layer w0.152: R70D.1@-21.739,-54.214 -21.719,-54.214 -21.31,-53.805 v1(-21.244,-53.805)
  Bottom Layer w0.152: v1(-21.244,-53.805) -21.244,-53.827 -20.867,-54.204 U1D.C5@-20.867,-54.225
NetR73A_2: R73A.2 U1A.A4 | length 2.6
  Bottom Layer w0.127: R73A.2@-24.817,-1.885 -24.064,-1.885 -23.734,-2.215 -22.837,-2.215 U1A.A4@-22.467,-1.845
NetR73B_2: R73B.2 U1B.A4 | length 2.7
  Bottom Layer w0.127: R73B.2@-24.817,-19.01 -23.551,-19.01 -23.144,-19.416 -22.81,-19.416 -22.467,-19.073 U1B.A4@-22.467,-19.034
NetR73C_2: R73C.2 U1C.A4 | length 2.6
  Bottom Layer w0.127: R73C.2@-24.867,-36.206 -23.835,-36.206 -23.589,-36.451 -22.769,-36.451 -22.548,-36.23 U1C.A4@-22.467,-36.23
NetR73D_2: R73D.2 U1D.A4 | length 2.7
  Bottom Layer w0.127: R73D.2@-24.867,-53.402 -24.155,-53.402 -23.855,-53.102 -22.8,-53.102 -22.476,-53.425 U1D.A4@-22.467,-53.425
NetR74A_1: R74A.1 U1A.C4 | length 1.2
  Top Layer w0.127: R74A.1@-21.739,-1.821 -21.719,-1.821 -21.424,-1.526 -21.334,-1.526 v1(-21.282,-1.474)
  Bottom Layer w0.127: v1(-21.282,-1.474) -21.26,-1.474 -20.889,-1.845 U1A.C4@-20.867,-1.845
NetR74B_1: R74B.1 U1B.C4 | length 1.2
  Top Layer w0.127: R74B.1@-21.739,-19.01 -21.719,-19.01 -21.408,-18.698 -21.311,-18.698 v1(-21.259,-18.646)
  Bottom Layer w0.127: v1(-21.259,-18.646) -21.257,-18.646 -20.869,-19.034 U1B.C4@-20.867,-19.034
NetR74C_1: R74C.1 U1C.C4 | length 1.2
  Top Layer w0.152: R74C.1@-21.739,-36.206 -21.605,-36.072 -21.518,-36.072 -21.28,-35.834 v1(-21.256,-35.834)
  Bottom Layer w0.152: v1(-21.256,-35.834) -21.256,-35.837 -20.867,-36.226 U1C.C4@-20.867,-36.23
NetR74D_1: R74D.1 U1D.C4 | length 1.2
  Top Layer w0.152: R74D.1@-21.739,-53.402 -21.719,-53.402 -21.565,-53.248 -21.563,-53.248 -21.316,-53 v1(-21.249,-53)
  Bottom Layer w0.152: v1(-21.249,-53) -21.249,-53.022 -20.867,-53.404 U1D.C4@-20.867,-53.425
NetR77A_2: R77A.2 U1A.A3 | length 2.6
  Bottom Layer w0.127: R77A.2@-24.817,-1.085 -24.064,-1.085 -23.734,-1.415 -22.837,-1.415 U1A.A3@-22.467,-1.045
NetR77B_2: R77B.2 U1B.A3 | length 2.7
  Bottom Layer w0.127: R77B.2@-24.817,-18.223 -24.051,-18.223 -23.651,-17.822 -22.81,-17.822 -22.467,-18.165 U1B.A3@-22.467,-18.234
NetR77C_2: R77C.2 U1C.A3 | length 2.8
  Bottom Layer w0.127: R77C.2@-24.867,-35.418 -24.28,-35.418 -23.88,-35.018 -22.836,-35.018 -22.467,-35.387 U1C.A3@-22.467,-35.43
NetR77D_2: R77D.2 U1D.A3 | length 2.8
  Bottom Layer w0.127: R77D.2@-24.867,-52.614 -24.067,-52.614 -23.667,-52.214 -22.826,-52.214 -22.467,-52.572 U1D.A3@-22.467,-52.625
NetR78A_1: R78A.1 U1A.C3 | length 1.2
  Top Layer w0.127: R78A.1@-21.739,-1.034 -21.671,-1.034 v1(-21.268,-0.631)
  Bottom Layer w0.127: v1(-21.268,-0.631) -21.268,-0.638 -20.867,-1.039 U1A.C3@-20.867,-1.045
NetR78B_1: R78B.1 U1B.C3 | length 1.2
  Top Layer w0.127: R78B.1@-21.739,-18.223 -21.671,-18.223 v1(-21.268,-17.82)
  Bottom Layer w0.127: v1(-21.268,-17.82) -21.268,-17.827 -20.867,-18.227 U1B.C3@-20.867,-18.234
NetR78C_1: R78C.1 U1C.C3 | length 1.2
  Top Layer w0.152: R78C.1@-21.739,-35.418 -21.605,-35.285 -21.518,-35.285 -21.28,-35.046 v1(-21.256,-35.046)
  Bottom Layer w0.152: v1(-21.256,-35.046) -21.254,-35.046 -20.87,-35.43 U1C.C3@-20.867,-35.43
NetR78D_1: R78D.1 U1D.C3 | length 1.2
  Top Layer w0.152: R78D.1@-21.739,-52.614 -21.605,-52.48 -21.529,-52.48 v1(-21.249,-52.2)
  Bottom Layer w0.152: v1(-21.249,-52.2) -21.249,-52.222 -20.867,-52.604 U1D.C3@-20.867,-52.625
NetR81A_2: R81A.2 U1A.A2 | length 2.6
  Bottom Layer w0.127: R81A.2@-24.817,-0.285 -24.064,-0.285 -23.734,-0.615 -22.861,-0.615 -22.491,-0.245 U1A.A2@-22.467,-0.245
NetR81B_2: R81B.2 U1B.A2 | length 2.8
  Bottom Layer w0.127: R81B.2@-24.817,-17.461 -23.703,-17.461 -23.252,-17.01 -22.81,-17.01 U1B.A2@-22.574,-17.246 ; U1B.A2@-22.574,-17.246 -22.467,-17.353 U1B.A2@-22.467,-17.434
NetR81C_2: R81C.2 U1C.A2 | length 2.8
  Bottom Layer w0.127: R81C.2@-24.867,-34.656 -24.43,-34.656 -23.979,-34.205 -22.823,-34.205 -22.467,-34.561 U1C.A2@-22.467,-34.63
NetR81D_2: R81D.2 U1D.A2 | length 2.8
  Bottom Layer w0.127: R81D.2@-24.867,-51.852 -23.781,-51.852 -23.317,-51.389 -23.191,-51.389 -23.185,-51.395 -22.832,-51.395 -22.467,-51.76 U1D.A2@-22.467,-51.825
NetR82A_1: R82A.1 U1A.C2 | length 1.2
  Top Layer w0.127: R82A.1@-21.739,-0.221 -21.671,-0.221 v1(-21.268,0.181)
  Bottom Layer w0.127: v1(-21.268,0.181) -21.268,0.168 -20.867,-0.232 U1A.C2@-20.867,-0.245
NetR82B_1: R82B.1 U1B.C2 | length 1.2
  Top Layer w0.127: R82B.1@-21.739,-17.41 -21.671,-17.41 v1(-21.268,-17.007)
  Bottom Layer w0.127: v1(-21.268,-17.007) -21.268,-17.02 -20.867,-17.421 U1B.C2@-20.867,-17.434